# EAGLE board working (EAGLE 9.5.2), part 4 of 4
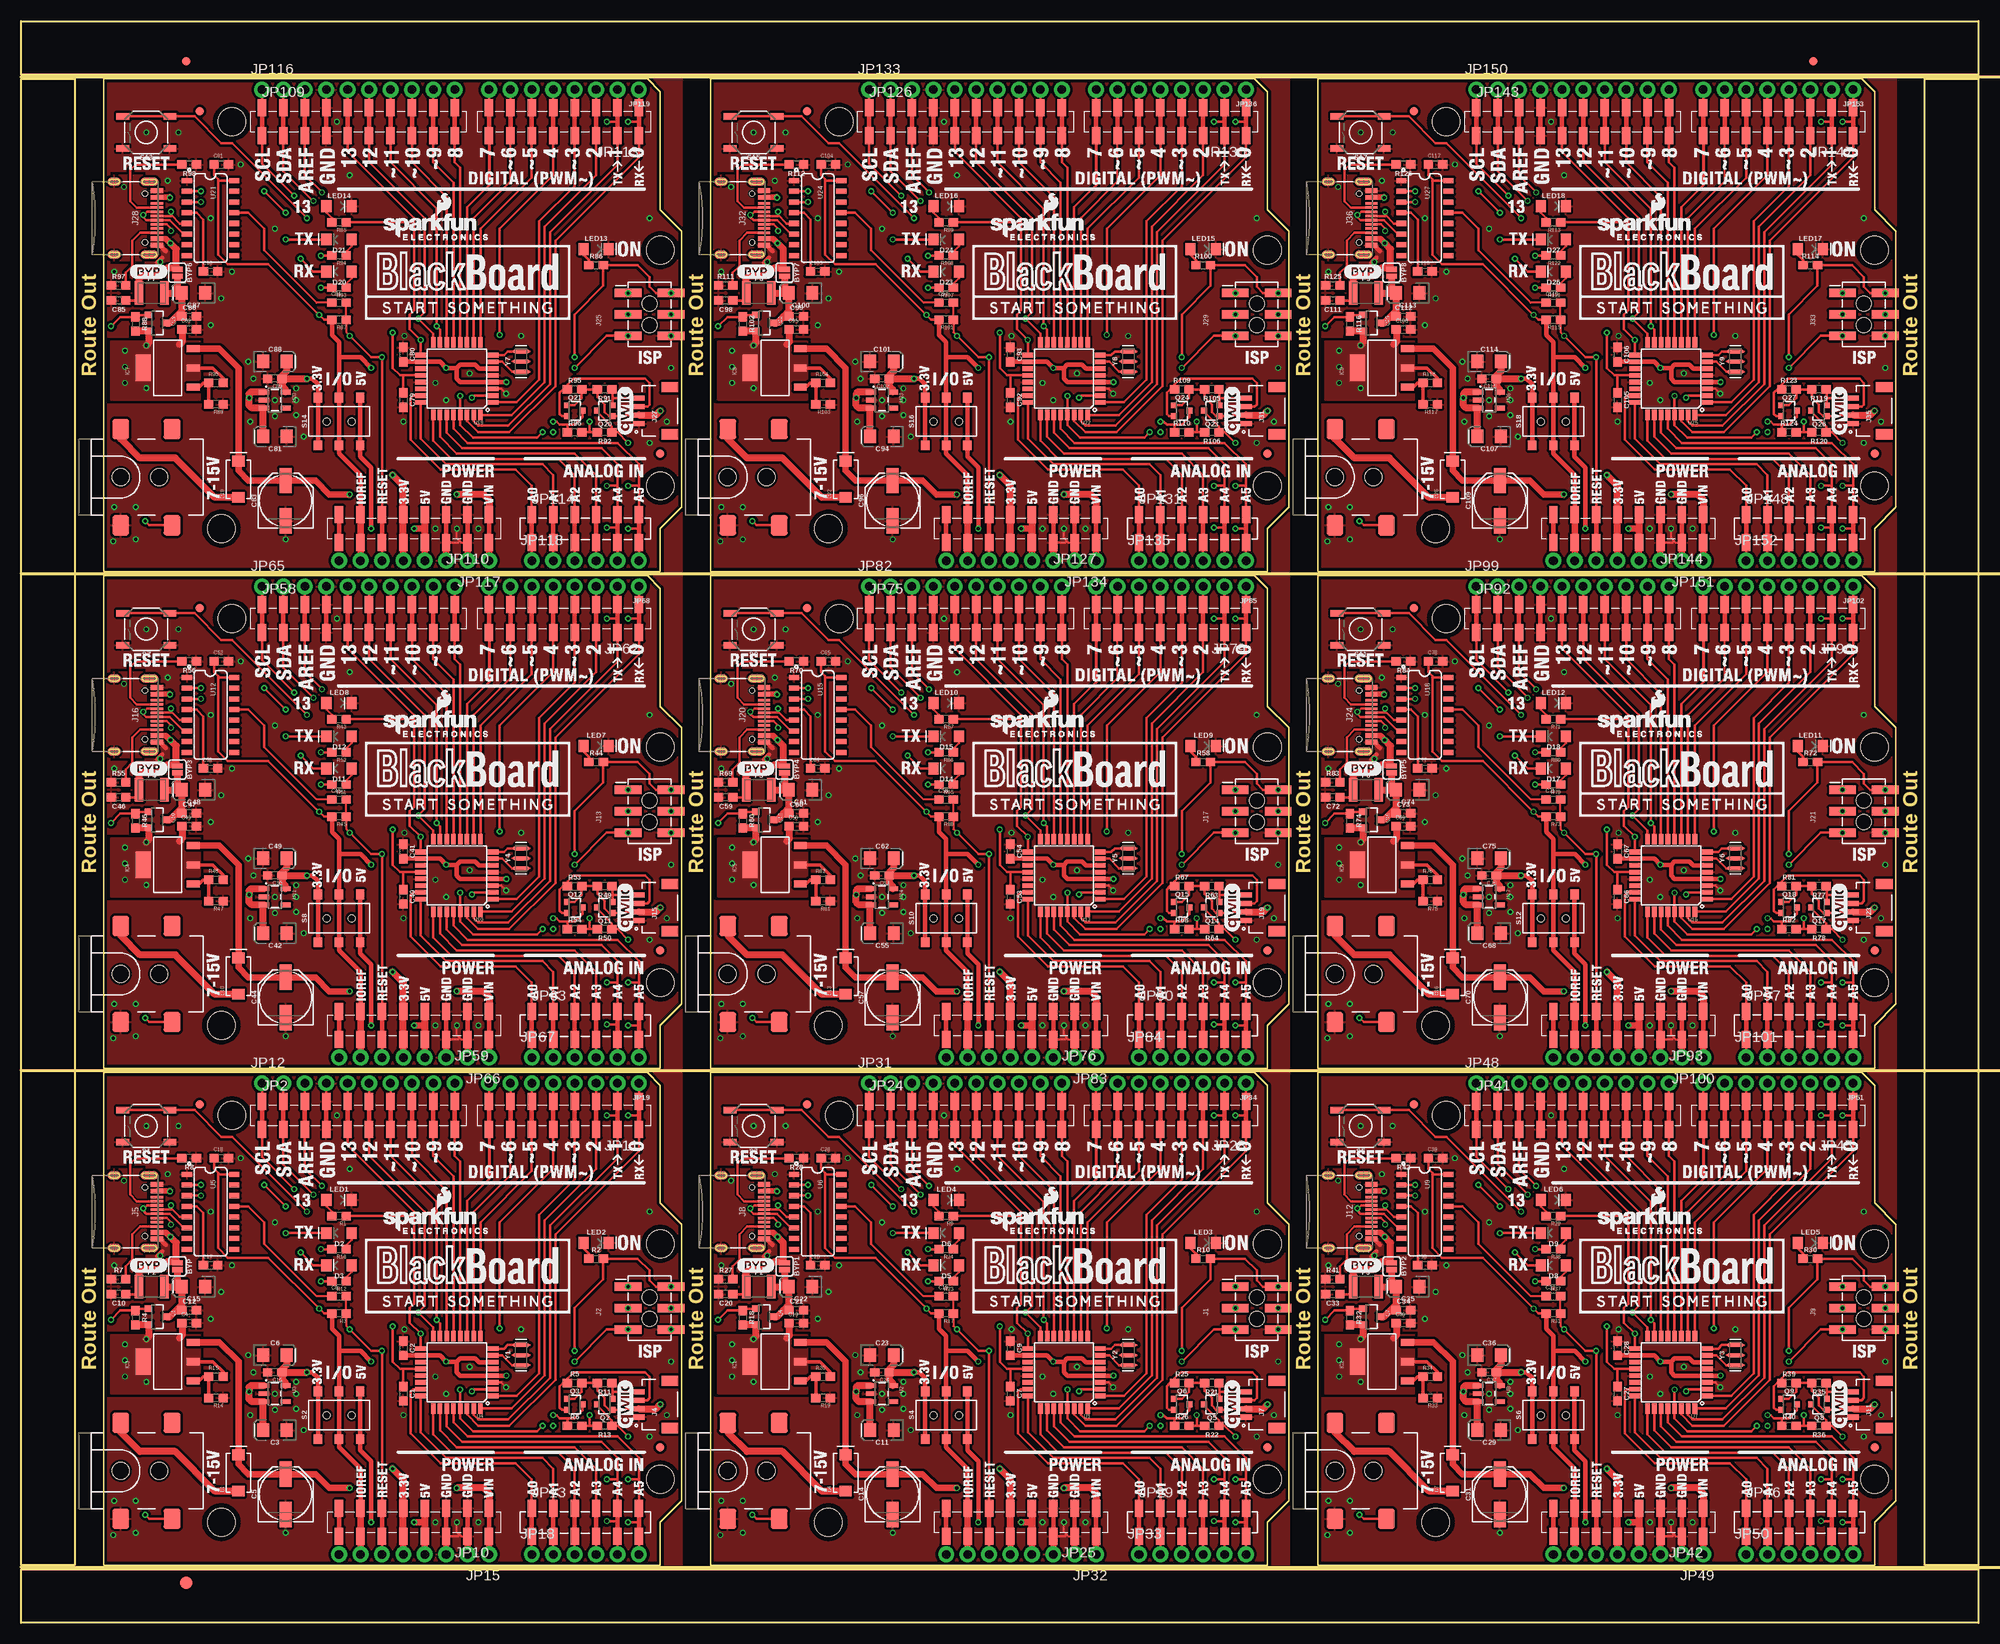
[diagram p0: board, top side]
## Tracks (layer width: path | path; a pad name or v marks a point on that pad's centre or on a via) (continued)
N$76
  Top 0.305: R108.1 110.58,162.65 111.23,163.3 D24.A
N$77
  Top 0.305: R107.1 110.58,158.84 111.23,159.49 D23.A
N$78
  Top 0.305: U24.4 92.84,167.26 93.64,166.46 C103.1
N$79  (via drill 0.38)
  Top 0.305: Q23.3 140.37,143.69 140.37,143.6 142.07,141.9 R106.1 142.75,141.22 v144.02,139.95
  Bottom 0.305: QW16.2 142.24,139.06 143.13,139.95 v144.02,139.95
N$80  (via drill 0.38)
  Top 0.254: 136.82,142.07 136.78,142.11
  Top 0.305: v135.13,142.49 135.51,142.49 135.89,142.11 136.78,142.11 137.67,142.11 138.59,143.04 Q24.3 | R110.1 136.82,142.07
  Bottom 0.305: QW15.2 138.43,141.73 137.67,142.49 v135.13,142.49
N$81
  Top 0.356: R114.1 211.37,161.63 210.72,162.28 LED17.A
N$82
  Top 0.305: R113.2 180.89,166.59 180.24,167.24 LED18.A
N$83
  Top 0.406: IC9.1 165.12,146.57 165.61,147.07 R118.1 R117.2
N$84
  Top 0.305: U25.7 201.07,149.57 202.24,148.41 Y9.1
N$85
  Top 0.305: U25.8 201.3,150.37 201.73,150.81 Y9.3
N$86
  Top 0.305: R122.1 182.59,162.65 183.24,163.3 D27.A
N$87
  Top 0.305: R121.1 182.59,158.84 183.24,159.49 D26.A
N$88
  Top 0.305: U27.4 164.85,167.26 165.65,166.46 C116.1
N$89  (via drill 0.38)
  Top 0.305: Q26.3 212.38,143.69 212.38,143.6 214.08,141.9 R120.1 214.76,141.22 v216.03,139.95
  Bottom 0.305: QW18.2 214.25,139.06 215.14,139.95 v216.03,139.95
N$90  (via drill 0.38)
  Top 0.254: 208.83,142.07 208.79,142.11
  Top 0.305: v207.14,142.49 207.52,142.49 207.9,142.11 208.79,142.11 209.68,142.11 210.6,143.04 Q27.3 | R124.1 208.83,142.07
  Bottom 0.305: QW17.2 210.44,141.73 209.68,142.49 v207.14,142.49
PWRIN
  Top 0.813: J3.VIN0 11.81,22.61 14.1,20.32 18.29,20.32 22.98,15.63 D1.A
PWRIN1
  Top 0.813: J6.VIN0 83.82,22.61 86.11,20.32 90.3,20.32 94.99,15.63 D4.A
PWRIN2
  Top 0.813: J10.VIN0 155.83,22.61 158.12,20.32 162.31,20.32 167,15.63 D7.A
PWRIN3
  Top 0.813: J14.VIN0 11.81,81.53 14.1,79.25 18.29,79.25 22.98,74.56 D10.A
PWRIN4
  Top 0.813: J18.VIN0 83.82,81.53 86.11,79.25 90.3,79.25 94.99,74.56 D13.A
PWRIN5
  Top 0.813: J22.VIN0 155.83,81.53 158.12,79.25 162.31,79.25 167,74.56 D16.A
PWRIN6
  Top 0.813: J26.VIN0 11.81,140.46 14.1,138.18 18.29,138.18 22.98,133.49 D19.A
PWRIN7
  Top 0.813: J30.VIN0 83.82,140.46 86.11,138.18 90.3,138.18 94.99,133.49 D22.A
PWRIN8
  Top 0.813: J34.VIN0 155.83,140.46 158.12,138.18 162.31,138.18 167,133.49 D25.A
RX-I  (via drill 0.38)
  Top 0.254: JP11.1B 73.28,58.93
  Top 0.305: U4.30 52.89,24.71 54.23,23.37 57.91,23.37 63.37,28.83 63.37,46.1 73.28,56.01 JP11.1A 73.28,58.93 73.28,60.2 v72.01,60.2 | v33.15,43.94 34.67,42.42 D3.C | U5.2 v21.34,51.94 | v28.83,51.94 v31.37,49.4 | JP11.1B JP19.1
  Bottom 0.305: v72.01,60.2 69.47,57.66 33.91,57.66 31.37,55.12 v31.37,49.4 33.15,47.62 v33.15,43.94 | v21.34,51.94 v28.83,51.94
RX-I1  (via drill 0.38)
  Top 0.254: JP28.1B 145.29,58.93
  Top 0.305: U1.30 124.9,24.71 126.24,23.37 129.92,23.37 135.38,28.83 135.38,46.1 145.29,56.01 JP28.1A 145.29,58.93 145.29,60.2 v144.02,60.2 | v105.16,43.94 106.68,42.42 D5.C | U6.2 v93.34,51.94 | v100.84,51.94 v103.38,49.4 | JP28.1B JP34.1
  Bottom 0.305: v144.02,60.2 141.48,57.66 105.92,57.66 103.38,55.12 v103.38,49.4 105.16,47.62 v105.16,43.94 | v93.34,51.94 v100.84,51.94
RX-I2  (via drill 0.38)
  Top 0.254: JP45.1B 217.3,58.93
  Top 0.305: U7.30 196.91,24.71 198.25,23.37 201.93,23.37 207.39,28.83 207.39,46.1 217.3,56.01 JP45.1A 217.3,58.93 217.3,60.2 v216.03,60.2 | v177.16,43.94 178.69,42.42 D8.C | U9.2 v165.35,51.94 | v172.85,51.94 v175.39,49.4 | JP45.1B JP51.1
  Bottom 0.305: v216.03,60.2 213.49,57.66 177.93,57.66 175.39,55.12 v175.39,49.4 177.16,47.62 v177.16,43.94 | v165.35,51.94 v172.85,51.94
RX-I3  (via drill 0.38)
  Top 0.254: JP62.1B 73.28,117.86
  Top 0.305: U10.30 52.89,83.64 54.23,82.3 57.91,82.3 63.37,87.76 63.37,105.03 73.28,114.94 JP62.1A 73.28,117.86 73.28,119.13 v72.01,119.13 | v33.15,102.87 34.67,101.35 D11.C | U12.2 v21.34,110.87 | v28.83,110.87 v31.37,108.33 | JP62.1B JP68.1
  Bottom 0.305: v72.01,119.13 69.47,116.59 33.91,116.59 31.37,114.05 v31.37,108.33 33.15,106.55 v33.15,102.87 | v21.34,110.87 v28.83,110.87
RX-I4  (via drill 0.38)
  Top 0.254: JP79.1B 145.29,117.86
  Top 0.305: U13.30 124.9,83.64 126.24,82.3 129.92,82.3 135.38,87.76 135.38,105.03 145.29,114.94 JP79.1A 145.29,117.86 145.29,119.13 v144.02,119.13 | v105.16,102.87 106.68,101.35 D14.C | U15.2 v93.34,110.87 | v100.84,110.87 v103.38,108.33 | JP79.1B JP85.1
  Bottom 0.305: v144.02,119.13 141.48,116.59 105.92,116.59 103.38,114.05 v103.38,108.33 105.16,106.55 v105.16,102.87 | v93.34,110.87 v100.84,110.87
RX-I5  (via drill 0.38)
  Top 0.254: JP96.1B 217.3,117.86
  Top 0.305: U16.30 196.91,83.64 198.25,82.3 201.93,82.3 207.39,87.76 207.39,105.03 217.3,114.94 JP96.1A 217.3,117.86 217.3,119.13 v216.03,119.13 | v177.16,102.87 178.69,101.35 D17.C | U18.2 v165.35,110.87 | v172.85,110.87 v175.39,108.33 | JP96.1B JP102.1
  Bottom 0.305: v216.03,119.13 213.49,116.59 177.93,116.59 175.39,114.05 v175.39,108.33 177.16,106.55 v177.16,102.87 | v165.35,110.87 v172.85,110.87
RX-I6  (via drill 0.38)
  Top 0.254: JP113.1B 73.28,176.78
  Top 0.305: U19.30 52.89,142.56 54.23,141.22 57.91,141.22 63.37,146.69 63.37,163.96 73.28,173.86 JP113.1A 73.28,176.78 73.28,178.05 v72.01,178.05 | v33.15,161.8 34.67,160.27 D20.C | U21.2 v21.34,169.8 | v28.83,169.8 v31.37,167.26 | JP113.1B JP119.1
  Bottom 0.305: v72.01,178.05 69.47,175.51 33.91,175.51 31.37,172.97 v31.37,167.26 33.15,165.48 v33.15,161.8 | v21.34,169.8 v28.83,169.8
RX-I7  (via drill 0.38)
  Top 0.254: JP130.1B 145.29,176.78
  Top 0.305: U22.30 124.9,142.56 126.24,141.22 129.92,141.22 135.38,146.69 135.38,163.96 145.29,173.86 JP130.1A 145.29,176.78 145.29,178.05 v144.02,178.05 | v105.16,161.8 106.68,160.27 D23.C | U24.2 v93.34,169.8 | v100.84,169.8 v103.38,167.26 | JP130.1B JP136.1
  Bottom 0.305: v144.02,178.05 141.48,175.51 105.92,175.51 103.38,172.97 v103.38,167.26 105.16,165.48 v105.16,161.8 | v93.34,169.8 v100.84,169.8
RX-I8  (via drill 0.38)
  Top 0.254: JP147.1B 217.3,176.78
  Top 0.305: U25.30 196.91,142.56 198.25,141.22 201.93,141.22 207.39,146.69 207.39,163.96 217.3,173.86 JP147.1A 217.3,176.78 217.3,178.05 v216.03,178.05 | v177.16,161.8 178.69,160.27 D26.C | U27.2 v165.35,169.8 | v172.85,169.8 v175.39,167.26 | JP147.1B JP153.1
  Bottom 0.305: v216.03,178.05 213.49,175.51 177.93,175.51 175.39,172.97 v175.39,167.26 177.16,165.48 v177.16,161.8 | v165.35,169.8 v172.85,169.8
SCK  (via drill 0.38, 0.38 pad 0.51)
  Top 0.254: JP2.5B JP2.5A
  Top 0.305: U4.17 v47.4,34.31 46.1,35.61 46.1,37.34 46.61,37.85 46.61,48.26 | JP2.5B 38.73,56.64 46.61,48.77 46.61,48.26 | R1.1 46.61,48.26 | JP2.5A JP12.5
  Bottom 0.305: v47.4,34.31 47.4,35.46 49.28,37.34 J2.3 TP5.P$1
  other vias: 72.01,37.34
SCK1  (via drill 0.38, 0.38 pad 0.51)
  Top 0.254: JP24.5B JP24.5A
  Top 0.305: U1.17 v119.41,34.31 118.11,35.61 118.11,37.34 118.62,37.85 118.62,48.26 | JP24.5B 110.74,56.64 118.62,48.77 118.62,48.26 | R9.1 118.62,48.26 | JP24.5A JP31.5
  Bottom 0.305: v119.41,34.31 119.41,35.46 121.28,37.34 J1.3 TP11.P$1
  other vias: 144.02,37.34
SCK2  (via drill 0.38, 0.38 pad 0.51)
  Top 0.254: JP41.5B JP41.5A
  Top 0.305: U7.17 v191.41,34.31 190.12,35.61 190.12,37.34 190.63,37.85 190.63,48.26 | JP41.5B 182.75,56.64 190.63,48.77 190.63,48.26 | R29.1 190.63,48.26 | JP41.5A JP48.5
  Bottom 0.305: v191.41,34.31 191.41,35.46 193.29,37.34 J9.3 TP17.P$1
  other vias: 216.03,37.34
SCK3  (via drill 0.38, 0.38 pad 0.51)
  Top 0.254: JP58.5B JP58.5A
  Top 0.305: U10.17 v47.4,93.24 46.1,94.54 46.1,96.27 46.61,96.77 46.61,107.19 | JP58.5B 38.73,115.57 46.61,107.7 46.61,107.19 | R43.1 46.61,107.19 | JP58.5A JP65.5
  Bottom 0.305: v47.4,93.24 47.4,94.39 49.28,96.27 J13.3 TP23.P$1
  other vias: 72.01,96.27
SCK4  (via drill 0.38, 0.38 pad 0.51)
  Top 0.254: JP75.5B JP75.5A
  Top 0.305: U13.17 v119.41,93.24 118.11,94.54 118.11,96.27 118.62,96.77 118.62,107.19 | JP75.5B 110.74,115.57 118.62,107.7 118.62,107.19 | R57.1 118.62,107.19 | JP75.5A JP82.5
  Bottom 0.305: v119.41,93.24 119.41,94.39 121.28,96.27 J17.3 TP29.P$1
  other vias: 144.02,96.27
SCK5  (via drill 0.38, 0.38 pad 0.51)
  Top 0.254: JP92.5B JP92.5A
  Top 0.305: U16.17 v191.41,93.24 190.12,94.54 190.12,96.27 190.63,96.77 190.63,107.19 | JP92.5B 182.75,115.57 190.63,107.7 190.63,107.19 | R71.1 190.63,107.19 | JP92.5A JP99.5
  Bottom 0.305: v191.41,93.24 191.41,94.39 193.29,96.27 J21.3 TP35.P$1
  other vias: 216.03,96.27
SCK6  (via drill 0.38, 0.38 pad 0.51)
  Top 0.254: JP109.5B JP109.5A
  Top 0.305: U19.17 v47.4,152.17 46.1,153.47 46.1,155.19 46.61,155.7 46.61,166.12 | JP109.5B 38.73,174.5 46.61,166.62 46.61,166.12 | R85.1 46.61,166.12 | JP109.5A JP116.5
  Bottom 0.305: v47.4,152.17 47.4,153.31 49.28,155.19 J25.3 TP41.P$1
  other vias: 72.01,155.19
SCK7  (via drill 0.38, 0.38 pad 0.51)
  Top 0.254: JP126.5B JP126.5A
  Top 0.305: U22.17 v119.41,152.17 118.11,153.47 118.11,155.19 118.62,155.7 118.62,166.12 | JP126.5B 110.74,174.5 118.62,166.62 118.62,166.12 | R99.1 118.62,166.12 | JP126.5A JP133.5
  Bottom 0.305: v119.41,152.17 119.41,153.31 121.28,155.19 J29.3 TP47.P$1
  other vias: 144.02,155.19
SCK8  (via drill 0.38, 0.38 pad 0.51)
  Top 0.254: JP143.5B JP143.5A
  Top 0.305: U25.17 v191.41,152.17 190.12,153.47 190.12,155.19 190.63,155.7 190.63,166.12 | JP143.5B 182.75,174.5 190.63,166.62 190.63,166.12 | R113.1 190.63,166.12 | JP143.5A JP150.5
  Bottom 0.305: v191.41,152.17 191.41,153.31 193.29,155.19 J33.3 TP53.P$1
  other vias: 216.03,155.19
SHLD  (via drill 0.38)
  Bottom 0.203: 13.92,46.28 13.91,46.28
  other vias: 12.19,52.45
  pour Bottom: 9.78,53.85 14.86,53.85 14.86,43.69 9.78,43.69
  pour Top: 9.78,53.85 14.86,53.85 14.86,43.69 9.78,43.69
SHLD1  (via drill 0.38)
  Bottom 0.203: 85.93,46.28 85.92,46.28
  other vias: 84.2,52.45
  pour Bottom: 81.79,53.85 86.87,53.85 86.87,43.69 81.79,43.69
  pour Top: 81.79,53.85 86.87,53.85 86.87,43.69 81.79,43.69
SHLD2  (via drill 0.38)
  Bottom 0.203: 157.94,46.28 157.93,46.28
  other vias: 156.21,52.45
  pour Bottom: 153.8,53.85 158.88,53.85 158.88,43.69 153.8,43.69
  pour Top: 153.8,53.85 158.88,53.85 158.88,43.69 153.8,43.69
SHLD3  (via drill 0.38)
  Bottom 0.203: 13.92,105.21 13.91,105.21
  other vias: 12.19,111.38
  pour Bottom: 9.78,112.78 14.86,112.78 14.86,102.62 9.78,102.62
  pour Top: 9.78,112.78 14.86,112.78 14.86,102.62 9.78,102.62
SHLD4  (via drill 0.38)
  Bottom 0.203: 85.93,105.21 85.92,105.21
  other vias: 84.2,111.38
  pour Bottom: 81.79,112.78 86.87,112.78 86.87,102.62 81.79,102.62
  pour Top: 81.79,112.78 86.87,112.78 86.87,102.62 81.79,102.62
SHLD5  (via drill 0.38)
  Bottom 0.203: 157.94,105.21 157.93,105.21
  other vias: 156.21,111.38
  pour Bottom: 153.8,112.78 158.88,112.78 158.88,102.62 153.8,102.62
  pour Top: 153.8,112.78 158.88,112.78 158.88,102.62 153.8,102.62
SHLD6  (via drill 0.38)
  Bottom 0.203: 13.92,164.14 13.91,164.14
  other vias: 12.19,170.31
  pour Bottom: 9.78,171.7 14.86,171.7 14.86,161.54 9.78,161.54
  pour Top: 9.78,171.7 14.86,171.7 14.86,161.54 9.78,161.54
SHLD7  (via drill 0.38)
  Bottom 0.203: 85.93,164.14 85.92,164.14
  other vias: 84.2,170.31
  pour Bottom: 81.79,171.7 86.87,171.7 86.87,161.54 81.79,161.54
  pour Top: 81.79,171.7 86.87,171.7 86.87,161.54 81.79,161.54
SHLD8  (via drill 0.38)
  Bottom 0.203: 157.94,164.14 157.93,164.14
  other vias: 156.21,170.31
  pour Bottom: 153.8,171.7 158.88,171.7 158.88,161.54 153.8,161.54
  pour Top: 153.8,171.7 158.88,171.7 158.88,161.54 153.8,161.54
TX-O  (via drill 0.38)
  Top 0.254: JP11.2A JP11.2B
  Top 0.305: U4.31 53.69,24.67 54.23,24.13 57.78,24.13 62.74,29.08 62.74,47.12 70.74,55.12 JP11.2B | v69.47,60.2 70.74,60.2 JP11.2A JP19.2 | v31.37,46.23 D2.C | U5.3 v21.34,50.67
  Bottom 0.305: 30.1,50.67 30.1,48.77 31.37,47.5 v31.37,46.23 | 30.1,50.67 30.1,55.12 33.91,58.93 68.2,58.93 v69.47,60.2 | v21.34,50.67 30.1,50.67
TX-O1  (via drill 0.38)
  Top 0.254: JP28.2A JP28.2B
  Top 0.305: U1.31 125.7,24.67 126.24,24.13 129.79,24.13 134.75,29.08 134.75,47.12 142.75,55.12 JP28.2B | v141.48,60.2 142.75,60.2 JP28.2A JP34.2 | v103.38,46.23 D6.C | U6.3 v93.34,50.67
  Bottom 0.305: 102.11,50.67 102.11,48.77 103.38,47.5 v103.38,46.23 | 102.11,50.67 102.11,55.12 105.92,58.93 140.21,58.93 v141.48,60.2 | v93.34,50.67 102.11,50.67
TX-O2  (via drill 0.38)
  Top 0.254: JP45.2A JP45.2B
  Top 0.305: U7.31 197.71,24.67 198.25,24.13 201.8,24.13 206.76,29.08 206.76,47.12 214.76,55.12 JP45.2B | v213.49,60.2 214.76,60.2 JP45.2A JP51.2 | v175.39,46.23 D9.C | U9.3 v165.35,50.67
  Bottom 0.305: 174.12,50.67 174.12,48.77 175.39,47.5 v175.39,46.23 | 174.12,50.67 174.12,55.12 177.93,58.93 212.22,58.93 v213.49,60.2 | v165.35,50.67 174.12,50.67
TX-O3  (via drill 0.38)
  Top 0.254: JP62.2A JP62.2B
  Top 0.305: U10.31 53.69,83.6 54.23,83.06 57.78,83.06 62.74,88.01 62.74,106.05 70.74,114.05 JP62.2B | v69.47,119.13 70.74,119.13 JP62.2A JP68.2 | v31.37,105.16 D12.C | U12.3 v21.34,109.6
  Bottom 0.305: 30.1,109.6 30.1,107.7 31.37,106.43 v31.37,105.16 | 30.1,109.6 30.1,114.05 33.91,117.86 68.2,117.86 v69.47,119.13 | v21.34,109.6 30.1,109.6
TX-O4  (via drill 0.38)
  Top 0.254: JP79.2A JP79.2B
  Top 0.305: U13.31 125.7,83.6 126.24,83.06 129.79,83.06 134.75,88.01 134.75,106.05 142.75,114.05 JP79.2B | v141.48,119.13 142.75,119.13 JP79.2A JP85.2 | v103.38,105.16 D15.C | U15.3 v93.34,109.6
  Bottom 0.305: 102.11,109.6 102.11,107.7 103.38,106.43 v103.38,105.16 | 102.11,109.6 102.11,114.05 105.92,117.86 140.21,117.86 v141.48,119.13 | v93.34,109.6 102.11,109.6
TX-O5  (via drill 0.38)
  Top 0.254: JP96.2A JP96.2B
  Top 0.305: U16.31 197.71,83.6 198.25,83.06 201.8,83.06 206.76,88.01 206.76,106.05 214.76,114.05 JP96.2B | v213.49,119.13 214.76,119.13 JP96.2A JP102.2 | v175.39,105.16 D18.C | U18.3 v165.35,109.6
  Bottom 0.305: 174.12,109.6 174.12,107.7 175.39,106.43 v175.39,105.16 | 174.12,109.6 174.12,114.05 177.93,117.86 212.22,117.86 v213.49,119.13 | v165.35,109.6 174.12,109.6
TX-O6  (via drill 0.38)
  Top 0.254: JP113.2A JP113.2B
  Top 0.305: U19.31 53.69,142.53 54.23,141.99 57.78,141.99 62.74,146.94 62.74,164.97 70.74,172.97 JP113.2B | v69.47,178.05 70.74,178.05 JP113.2A JP119.2 | v31.37,164.08 D21.C | U21.3 v21.34,168.53
  Bottom 0.305: 30.1,168.53 30.1,166.62 31.37,165.35 v31.37,164.08 | 30.1,168.53 30.1,172.97 33.91,176.78 68.2,176.78 v69.47,178.05 | v21.34,168.53 30.1,168.53
TX-O7  (via drill 0.38)
  Top 0.254: JP130.2A JP130.2B
  Top 0.305: U22.31 125.7,142.53 126.24,141.99 129.79,141.99 134.75,146.94 134.75,164.97 142.75,172.97 JP130.2B | v141.48,178.05 142.75,178.05 JP130.2A JP136.2 | v103.38,164.08 D24.C | U24.3 v93.34,168.53
  Bottom 0.305: 102.11,168.53 102.11,166.62 103.38,165.35 v103.38,164.08 | 102.11,168.53 102.11,172.97 105.92,176.78 140.21,176.78 v141.48,178.05 | v93.34,168.53 102.11,168.53
TX-O8  (via drill 0.38)
  Top 0.254: JP147.2A JP147.2B
  Top 0.305: U25.31 197.71,142.53 198.25,141.99 201.8,141.99 206.76,146.94 206.76,164.97 214.76,172.97 JP147.2B | v213.49,178.05 214.76,178.05 JP147.2A JP153.2 | v175.39,164.08 D27.C | U27.3 v165.35,168.53
  Bottom 0.305: 174.12,168.53 174.12,166.62 175.39,165.35 v175.39,164.08 | 174.12,168.53 174.12,172.97 177.93,176.78 212.22,176.78 v213.49,178.05 | v165.35,168.53 174.12,168.53
USBVCC
  Top 0.254: BYP.2 18.54,41.68
  Top 0.813: F2.2 C15.+ | C15.+ 18.54,40.38 18.54,41.68 | Q1.3 17.65,36.32 18.41,37.08 | 18.41,37.08 C12.1 | C15.+ 19.05,37.72 18.41,37.08
USBVCC1
  Top 0.254: BYP1.2 90.55,41.68
  Top 0.813: F1.2 C22.+ | C22.+ 90.55,40.38 90.55,41.68 | Q4.3 89.66,36.32 90.42,37.08 | 90.42,37.08 C21.1 | C22.+ 91.06,37.72 90.42,37.08
USBVCC2
  Top 0.254: BYP2.2 162.56,41.68
  Top 0.813: F3.2 C35.+ | C35.+ 162.56,40.38 162.56,41.68 | Q7.3 161.67,36.32 162.43,37.08 | 162.43,37.08 C34.1 | C35.+ 163.06,37.72 162.43,37.08
USBVCC3
  Top 0.254: BYP3.2 18.54,100.61
  Top 0.813: F4.2 C48.+ | C48.+ 18.54,99.31 18.54,100.61 | Q10.3 17.65,95.25 18.41,96.01 | 18.41,96.01 C47.1 | C48.+ 19.05,96.64 18.41,96.01
USBVCC4
  Top 0.254: BYP4.2 90.55,100.61
  Top 0.813: F5.2 C61.+ | C61.+ 90.55,99.31 90.55,100.61 | Q13.3 89.66,95.25 90.42,96.01 | 90.42,96.01 C60.1 | C61.+ 91.06,96.64 90.42,96.01
USBVCC5
  Top 0.254: BYP5.2 162.56,100.61
  Top 0.813: F6.2 C74.+ | C74.+ 162.56,99.31 162.56,100.61 | Q16.3 161.67,95.25 162.43,96.01 | 162.43,96.01 C73.1 | C74.+ 163.06,96.64 162.43,96.01
USBVCC6
  Top 0.254: BYP6.2 18.54,159.54
  Top 0.813: F7.2 C87.+ | C87.+ 18.54,158.24 18.54,159.54 | Q19.3 17.65,154.18 18.41,154.94 | 18.41,154.94 C86.1 | C87.+ 19.05,155.57 18.41,154.94
USBVCC7
  Top 0.254: BYP7.2 90.55,159.54
  Top 0.813: F8.2 C100.+ | C100.+ 90.55,158.24 90.55,159.54 | Q22.3 89.66,154.18 90.42,154.94 | 90.42,154.94 C99.1 | C100.+ 91.06,155.57 90.42,154.94
USBVCC8
  Top 0.254: BYP8.2 162.56,159.54
  Top 0.813: F9.2 C113.+ | C113.+ 162.56,158.24 162.56,159.54 | Q25.3 161.67,154.18 162.43,154.94 | 162.43,154.94 C112.1 | C113.+ 163.06,155.57 162.43,154.94
VCC  (via drill 0.38)
  Top 0.305: v65.66,32.26 65.66,37.34 69.05,40.73 R2.2 73.15,43.18 74.55,41.78 74.55,40.64 75.31,39.88 J2.2 | R3.2 35.94,36.7 v35.37,37.27 29.34,43.31 24.51,43.31 23.37,44.45 23.37,53.21 | R6.2 67.44,23.37 | 67.44,23.37 R13.2 | v67.44,24.64 67.44,23.37 | C18.1 22.9,53.85 23.37,53.38 23.37,53.21 | R16.2 v35.56,44.32 | R12.2 v35.56,40.51 | U5.16 23.37,53.21
  Top 0.508: U4.6 54.3,30.92 53.85,31.37 52.07,31.37 51.69,30.99 | C2.2 U4.18 49.69,31.72 v50.42,30.99 51.69,30.99 | v57.55,29.32 U4.4 52.09,29.32 51.69,29.72 51.69,30.99 | v41.53,30.99 40.26,32.26 37.72,32.26 | R3.2 36.87,34.89 37.72,34.04 37.72,32.26 | JP10.7B 40.26,18.29 37.72,20.83 S2.5 S2.2 37.72,32.26
  Top 0.762: JP10.7B JP10.7A JP15.7
  Bottom 0.305: v57.55,29.32 62.72,29.32 v65.66,32.26 66.93,32.26 67.44,31.75 v67.44,24.64 | v35.56,44.32 v35.56,40.51 35.56,37.46 v35.37,37.27 | TP1.P$1 J2.2
  Bottom 0.508: v50.42,30.99 v41.53,30.99
  other vias: 77.09,39.88
VCC1  (via drill 0.38)
  Top 0.305: v137.67,32.26 137.67,37.34 141.06,40.73 R10.2 145.16,43.18 146.56,41.78 146.56,40.64 147.32,39.88 J1.2 | R17.2 107.95,36.7 v107.38,37.27 101.35,43.31 96.52,43.31 95.38,44.45 95.38,53.21 | R26.2 139.45,23.37 | 139.45,23.37 R22.2 | v139.45,24.64 139.45,23.37 | C26.1 94.91,53.85 95.38,53.38 95.38,53.21 | R24.2 v107.57,44.32 | R23.2 v107.57,40.51 | U6.16 95.38,53.21
  Top 0.508: U1.6 126.31,30.92 125.86,31.37 124.08,31.37 123.7,30.99 | C9.2 U1.18 121.7,31.72 v122.43,30.99 123.7,30.99 | v129.56,29.32 U1.4 124.1,29.32 123.7,29.72 123.7,30.99 | v113.54,30.99 112.27,32.26 109.73,32.26 | R17.2 108.88,34.89 109.73,34.04 109.73,32.26 | JP25.7B 112.27,18.29 109.73,20.83 S4.5 S4.2 109.73,32.26
  Top 0.762: JP25.7B JP25.7A JP32.7
  Bottom 0.305: v129.56,29.32 134.73,29.32 v137.67,32.26 138.94,32.26 139.45,31.75 v139.45,24.64 | v107.57,44.32 v107.57,40.51 107.57,37.46 v107.38,37.27 | TP7.P$1 J1.2
  Bottom 0.508: v122.43,30.99 v113.54,30.99
  other vias: 149.1,39.88
VCC2  (via drill 0.38)
  Top 0.305: v209.68,32.26 209.68,37.34 213.07,40.73 R30.2 217.17,43.18 218.57,41.78 218.57,40.64 219.33,39.88 J9.2 | R31.2 179.96,36.7 v179.39,37.27 173.35,43.31 168.53,43.31 167.39,44.45 167.39,53.21 | R40.2 211.45,23.37 | 211.45,23.37 R36.2 | v211.45,24.64 211.45,23.37 | C39.1 166.92,53.85 167.39,53.38 167.39,53.21 | R38.2 v179.58,44.32 | R37.2 v179.58,40.51 | U9.16 167.39,53.21
  Top 0.508: U7.6 198.32,30.92 197.87,31.37 196.09,31.37 195.71,30.99 | C28.2 U7.18 193.71,31.72 v194.44,30.99 195.71,30.99 | v201.57,29.32 U7.4 196.11,29.32 195.71,29.72 195.71,30.99 | v185.55,30.99 184.28,32.26 181.74,32.26 | R31.2 180.89,34.89 181.74,34.04 181.74,32.26 | JP42.7B 184.28,18.29 181.74,20.83 S6.5 S6.2 181.74,32.26
  Top 0.762: JP42.7B JP42.7A JP49.7
  Bottom 0.305: v201.57,29.32 206.74,29.32 v209.68,32.26 210.95,32.26 211.45,31.75 v211.45,24.64 | v179.58,44.32 v179.58,40.51 179.58,37.46 v179.39,37.27 | TP13.P$1 J9.2
  Bottom 0.508: v194.44,30.99 v185.55,30.99
  other vias: 221.11,39.88
VCC3  (via drill 0.38)
  Top 0.305: v65.66,91.19 65.66,96.27 69.05,99.66 R44.2 73.15,102.11 74.55,100.71 74.55,99.57 75.31,98.81 J13.2 | R45.2 35.94,95.63 v35.37,96.2 29.34,102.23 24.51,102.23 23.37,103.38 23.37,112.14 | R54.2 67.44,82.3 | 67.44,82.3 R50.2 | v67.44,83.57 67.44,82.3 | C52.1 22.9,112.78 23.37,112.31 23.37,112.14 | R52.2 v35.56,103.25 | R51.2 v35.56,99.44 | U12.16 23.37,112.14
  Top 0.508: U10.6 54.3,89.85 53.85,90.3 52.07,90.3 51.69,89.92 | C41.2 U10.18 49.69,90.65 v50.42,89.92 51.69,89.92 | v57.55,88.25 U10.4 52.09,88.25 51.69,88.65 51.69,89.92 | v41.53,89.92 40.26,91.19 37.72,91.19 | R45.2 36.87,93.81 37.72,92.96 37.72,91.19 | JP59.7B 40.26,77.22 37.72,79.76 S8.5 S8.2 37.72,91.19
  Top 0.762: JP59.7B JP59.7A JP66.7
  Bottom 0.305: v57.55,88.25 62.72,88.25 v65.66,91.19 66.93,91.19 67.44,90.68 v67.44,83.57 | v35.56,103.25 v35.56,99.44 35.56,96.39 v35.37,96.2 | TP19.P$1 J13.2
  Bottom 0.508: v50.42,89.92 v41.53,89.92
  other vias: 77.09,98.81
VCC4  (via drill 0.38)
  Top 0.305: v137.67,91.19 137.67,96.27 141.06,99.66 R58.2 145.16,102.11 146.56,100.71 146.56,99.57 147.32,98.81 J17.2 | R59.2 107.95,95.63 v107.38,96.2 101.35,102.23 96.52,102.23 95.38,103.38 95.38,112.14 | R68.2 139.45,82.3 | 139.45,82.3 R64.2 | v139.45,83.57 139.45,82.3 | C65.1 94.91,112.78 95.38,112.31 95.38,112.14 | R66.2 v107.57,103.25 | R65.2 v107.57,99.44 | U15.16 95.38,112.14
  Top 0.508: U13.6 126.31,89.85 125.86,90.3 124.08,90.3 123.7,89.92 | C54.2 U13.18 121.7,90.65 v122.43,89.92 123.7,89.92 | v129.56,88.25 U13.4 124.1,88.25 123.7,88.65 123.7,89.92 | v113.54,89.92 112.27,91.19 109.73,91.19 | R59.2 108.88,93.81 109.73,92.96 109.73,91.19 | JP76.7B 112.27,77.22 109.73,79.76 S10.5 S10.2 109.73,91.19
  Top 0.762: JP76.7B JP76.7A JP83.7
  Bottom 0.305: v129.56,88.25 134.73,88.25 v137.67,91.19 138.94,91.19 139.45,90.68 v139.45,83.57 | v107.57,103.25 v107.57,99.44 107.57,96.39 v107.38,96.2 | TP25.P$1 J17.2
  Bottom 0.508: v122.43,89.92 v113.54,89.92
  other vias: 149.1,98.81
VCC5  (via drill 0.38)
  Top 0.305: v209.68,91.19 209.68,96.27 213.07,99.66 R72.2 217.17,102.11 218.57,100.71 218.57,99.57 219.33,98.81 J21.2 | R73.2 179.96,95.63 v179.39,96.2 173.35,102.23 168.53,102.23 167.39,103.38 167.39,112.14 | R82.2 211.45,82.3 | 211.45,82.3 R78.2 | v211.45,83.57 211.45,82.3 | C78.1 166.92,112.78 167.39,112.31 167.39,112.14 | R80.2 v179.58,103.25 | R79.2 v179.58,99.44 | U18.16 167.39,112.14
  Top 0.508: U16.6 198.32,89.85 197.87,90.3 196.09,90.3 195.71,89.92 | C67.2 U16.18 193.71,90.65 v194.44,89.92 195.71,89.92 | v201.57,88.25 U16.4 196.11,88.25 195.71,88.65 195.71,89.92 | v185.55,89.92 184.28,91.19 181.74,91.19 | R73.2 180.89,93.81 181.74,92.96 181.74,91.19 | JP93.7B 184.28,77.22 181.74,79.76 S12.5 S12.2 181.74,91.19
  Top 0.762: JP93.7B JP93.7A JP100.7
  Bottom 0.305: v201.57,88.25 206.74,88.25 v209.68,91.19 210.95,91.19 211.45,90.68 v211.45,83.57 | v179.58,103.25 v179.58,99.44 179.58,96.39 v179.39,96.2 | TP31.P$1 J21.2
  Bottom 0.508: v194.44,89.92 v185.55,89.92
  other vias: 221.11,98.81
VCC6  (via drill 0.38)
  Top 0.305: v65.66,150.11 65.66,155.19 69.05,158.58 R86.2 73.15,161.04 74.55,159.64 74.55,158.5 75.31,157.73 J25.2 | R87.2 35.94,154.56 v35.37,155.13 29.34,161.16 24.51,161.16 23.37,162.31 23.37,171.07 | R96.2 67.44,141.22 | 67.44,141.22 R92.2 | v67.44,142.49 67.44,141.22 | C91.1 22.9,171.7 23.37,171.24 23.37,171.07 | R94.2 v35.56,162.18 | R93.2 v35.56,158.37 | U21.16 23.37,171.07
  Top 0.508: U19.6 54.3,148.77 53.85,149.22 52.07,149.22 51.69,148.84 | C80.2 U19.18 49.69,149.57 v50.42,148.84 51.69,148.84 | v57.55,147.17 U19.4 52.09,147.17 51.69,147.57 51.69,148.84 | v41.53,148.84 40.26,150.11 37.72,150.11 | R87.2 36.87,152.74 37.72,151.89 37.72,150.11 | JP110.7B 40.26,136.14 37.72,138.68 S14.5 S14.2 37.72,150.11
  Top 0.762: JP110.7B JP110.7A JP117.7
  Bottom 0.305: v57.55,147.17 62.72,147.17 v65.66,150.11 66.93,150.11 67.44,149.61 v67.44,142.49 | v35.56,162.18 v35.56,158.37 35.56,155.32 v35.37,155.13 | TP37.P$1 J25.2
  Bottom 0.508: v50.42,148.84 v41.53,148.84
  other vias: 77.09,157.73
VCC7  (via drill 0.38)
  Top 0.305: v137.67,150.11 137.67,155.19 141.06,158.58 R100.2 145.16,161.04 146.56,159.64 146.56,158.5 147.32,157.73 J29.2 | R101.2 107.95,154.56 v107.38,155.13 101.35,161.16 96.52,161.16 95.38,162.31 95.38,171.07 | R110.2 139.45,141.22 | 139.45,141.22 R106.2 | v139.45,142.49 139.45,141.22 | C104.1 94.91,171.7 95.38,171.24 95.38,171.07 | R108.2 v107.57,162.18 | R107.2 v107.57,158.37 | U24.16 95.38,171.07
  Top 0.508: U22.6 126.31,148.77 125.86,149.22 124.08,149.22 123.7,148.84 | C93.2 U22.18 121.7,149.57 v122.43,148.84 123.7,148.84 | v129.56,147.17 U22.4 124.1,147.17 123.7,147.57 123.7,148.84 | v113.54,148.84 112.27,150.11 109.73,150.11 | R101.2 108.88,152.74 109.73,151.89 109.73,150.11 | JP127.7B 112.27,136.14 109.73,138.68 S16.5 S16.2 109.73,150.11
  Top 0.762: JP127.7B JP127.7A JP134.7
  Bottom 0.305: v129.56,147.17 134.73,147.17 v137.67,150.11 138.94,150.11 139.45,149.61 v139.45,142.49 | v107.57,162.18 v107.57,158.37 107.57,155.32 v107.38,155.13 | TP43.P$1 J29.2
  Bottom 0.508: v122.43,148.84 v113.54,148.84
  other vias: 149.1,157.73
VCC8  (via drill 0.38)
  Top 0.305: v209.68,150.11 209.68,155.19 213.07,158.58 R114.2 217.17,161.04 218.57,159.64 218.57,158.5 219.33,157.73 J33.2 | R115.2 179.96,154.56 v179.39,155.13 173.35,161.16 168.53,161.16 167.39,162.31 167.39,171.07 | R124.2 211.45,141.22 | 211.45,141.22 R120.2 | v211.45,142.49 211.45,141.22 | C117.1 166.92,171.7 167.39,171.24 167.39,171.07 | R122.2 v179.58,162.18 | R121.2 v179.58,158.37 | U27.16 167.39,171.07
  Top 0.508: U25.6 198.32,148.77 197.87,149.22 196.09,149.22 195.71,148.84 | C106.2 U25.18 193.71,149.57 v194.44,148.84 195.71,148.84 | v201.57,147.17 U25.4 196.11,147.17 195.71,147.57 195.71,148.84 | v185.55,148.84 184.28,150.11 181.74,150.11 | R115.2 180.89,152.74 181.74,151.89 181.74,150.11 | JP144.7B 184.28,136.14 181.74,138.68 S18.5 S18.2 181.74,150.11
  Top 0.762: JP144.7B JP144.7A JP151.7
  Bottom 0.305: v201.57,147.17 206.74,147.17 v209.68,150.11 210.95,150.11 211.45,149.61 v211.45,142.49 | v179.58,162.18 v179.58,158.37 179.58,155.32 v179.39,155.13 | TP49.P$1 J33.2
  Bottom 0.508: v194.44,148.84 v185.55,148.84
  other vias: 221.11,157.73
VIN  (via drill 0.38)
  Top 0.305: JP10.1A JP10.1B
  Top 0.762: v38.98,15.99 36.57,15.99 34.92,17.64 C5.+ 26.94,17.64 25.78,18.8 D1.C 25.78,30.99 23.5,33.28 IC3.3 | JP10.1A JP15.1
  Top 0.813: v51.68,15.99 54.88,15.99 55.5,15.37 JP10.1B
  Bottom 0.813: v51.68,15.99 v38.98,15.99
VIN1  (via drill 0.38)
  Top 0.305: JP25.1A JP25.1B
  Top 0.762: v110.98,15.99 108.58,15.99 106.93,17.64 C14.+ 98.95,17.64 97.79,18.8 D4.C 97.79,30.99 95.51,33.28 IC1.3 | JP25.1A JP32.1
  Top 0.813: v123.69,15.99 126.89,15.99 127.51,15.37 JP25.1B
  Bottom 0.813: v123.69,15.99 v110.98,15.99
VIN2  (via drill 0.38)
  Top 0.305: JP42.1A JP42.1B
  Top 0.762: v182.99,15.99 180.59,15.99 178.94,17.64 C31.+ 170.95,17.64 169.8,18.8 D7.C 169.8,30.99 167.52,33.28 IC2.3 | JP42.1A JP49.1
  Top 0.813: v195.69,15.99 198.9,15.99 199.52,15.37 JP42.1B
  Bottom 0.813: v195.69,15.99 v182.99,15.99
VIN3  (via drill 0.38)
  Top 0.305: JP59.1A JP59.1B
  Top 0.762: v38.98,74.92 36.57,74.92 34.92,76.57 C44.+ 26.94,76.57 25.78,77.72 D10.C 25.78,89.92 23.5,92.2 IC4.3 | JP59.1A JP66.1
  Top 0.813: v51.68,74.92 54.88,74.92 55.5,74.3 JP59.1B
  Bottom 0.813: v51.68,74.92 v38.98,74.92
VIN4  (via drill 0.38)
  Top 0.305: JP76.1A JP76.1B
  Top 0.762: v110.98,74.92 108.58,74.92 106.93,76.57 C57.+ 98.95,76.57 97.79,77.72 D13.C 97.79,89.92 95.51,92.2 IC5.3 | JP76.1A JP83.1
  Top 0.813: v123.69,74.92 126.89,74.92 127.51,74.3 JP76.1B
  Bottom 0.813: v123.69,74.92 v110.98,74.92
VIN5  (via drill 0.38)
  Top 0.305: JP93.1A JP93.1B
  Top 0.762: v182.99,74.92 180.59,74.92 178.94,76.57 C70.+ 170.95,76.57 169.8,77.72 D16.C 169.8,89.92 167.52,92.2 IC6.3 | JP93.1A JP100.1
  Top 0.813: v195.69,74.92 198.9,74.92 199.52,74.3 JP93.1B
  Bottom 0.813: v195.69,74.92 v182.99,74.92
VIN6  (via drill 0.38)
  Top 0.305: JP110.1A JP110.1B
  Top 0.762: v38.98,133.84 36.57,133.84 34.92,135.5 C83.+ 26.94,135.5 25.78,136.65 D19.C 25.78,148.85 23.5,151.13 IC7.3 | JP110.1A JP117.1
  Top 0.813: v51.68,133.84 54.88,133.84 55.5,133.22 JP110.1B
  Bottom 0.813: v51.68,133.84 v38.98,133.84
VIN7  (via drill 0.38)
  Top 0.305: JP127.1A JP127.1B
  Top 0.762: v110.98,133.84 108.58,133.84 106.93,135.5 C96.+ 98.95,135.5 97.79,136.65 D22.C 97.79,148.85 95.51,151.13 IC8.3 | JP127.1A JP134.1
  Top 0.813: v123.69,133.84 126.89,133.84 127.51,133.22 JP127.1B
  Bottom 0.813: v123.69,133.84 v110.98,133.84
VIN8  (via drill 0.38)
  Top 0.305: JP144.1A JP144.1B
  Top 0.762: v182.99,133.84 180.59,133.84 178.94,135.5 C109.+ 170.95,135.5 169.8,136.65 D25.C 169.8,148.85 167.52,151.13 IC9.3 | JP144.1A JP151.1
  Top 0.813: v195.69,133.84 198.9,133.84 199.52,133.22 JP144.1B
  Bottom 0.813: v195.69,133.84 v182.99,133.84
VUSB  (via drill 0.38)
  Top 0.254: 18.54,42.8 BYP.1 18.41,42.82
  Top 0.305: C10.1 13.72,38.99 13.72,39.6 F2.1
  Top 0.635: J5.VBUS2 17.18,46.32 v17.72,45.78 | J5.VBUS1 17.62,51.22
  Top 0.762: 17.62,51.22 v17.65,51.18
  Top 0.813: F2.1 13.99,41.55 14.38,41.94 16.38,41.94 17.24,42.8 18.54,42.8 | v17.72,45.78 18.41,45.08 18.41,42.82
  Bottom 0.762: JP14.VBUS 13.34,51.43 13.97,50.8 17.65,50.8 | 18.92,50.04 18.16,50.8 17.65,50.8 | v17.65,51.18 17.65,50.8
  Bottom 0.813: 18.92,50.04 18.92,46.35 18.35,45.78 v17.72,45.78
VUSB1  (via drill 0.38)
  Top 0.254: 90.55,42.8 BYP1.1 90.42,42.82
  Top 0.305: C20.1 85.72,38.99 85.72,39.6 F1.1
  Top 0.635: J8.VBUS2 89.19,46.32 v89.73,45.78 | J8.VBUS1 89.62,51.22
  Top 0.762: 89.62,51.22 v89.66,51.18
  Top 0.813: F1.1 86,41.55 86.39,41.94 88.39,41.94 89.25,42.8 90.55,42.8 | v89.73,45.78 90.42,45.08 90.42,42.82
  Bottom 0.762: JP30.VBUS 85.34,51.43 85.98,50.8 89.66,50.8 | 90.93,50.04 90.17,50.8 89.66,50.8 | v89.66,51.18 89.66,50.8
  Bottom 0.813: 90.93,50.04 90.93,46.35 90.36,45.78 v89.73,45.78
VUSB2  (via drill 0.38)
  Top 0.254: 162.56,42.8 BYP2.1 162.43,42.82
  Top 0.305: C33.1 157.73,38.99 157.73,39.6 F3.1
  Top 0.635: J12.VBUS2 161.2,46.32 v161.73,45.78 | J12.VBUS1 161.63,51.22
  Top 0.762: 161.63,51.22 v161.67,51.18
  Top 0.813: F3.1 158.01,41.55 158.4,41.94 160.4,41.94 161.26,42.8 162.56,42.8 | v161.73,45.78 162.43,45.08 162.43,42.82
  Bottom 0.762: JP47.VBUS 157.35,51.43 157.99,50.8 161.67,50.8 | 162.94,50.04 162.18,50.8 161.67,50.8 | v161.67,51.18 161.67,50.8
  Bottom 0.813: 162.94,50.04 162.94,46.35 162.37,45.78 v161.73,45.78
VUSB3  (via drill 0.38)
  Top 0.254: 18.54,101.73 BYP3.1 18.41,101.75
  Top 0.305: C46.1 13.72,97.92 13.72,98.53 F4.1
  Top 0.635: J16.VBUS2 17.18,105.25 v17.72,104.71 | J16.VBUS1 17.62,110.15
  Top 0.762: 17.62,110.15 v17.65,110.11
  Top 0.813: F4.1 13.99,100.48 14.38,100.87 16.38,100.87 17.24,101.73 18.54,101.73 | v17.72,104.71 18.41,104.01 18.41,101.75
  Bottom 0.762: JP64.VBUS 13.34,110.36 13.97,109.73 17.65,109.73 | 18.92,108.97 18.16,109.73 17.65,109.73 | v17.65,110.11 17.65,109.73
  Bottom 0.813: 18.92,108.97 18.92,105.28 18.35,104.71 v17.72,104.71
VUSB4  (via drill 0.38)
  Top 0.254: 90.55,101.73 BYP4.1 90.42,101.75
  Top 0.305: C59.1 85.72,97.92 85.72,98.53 F5.1
  Top 0.635: J20.VBUS2 89.19,105.25 v89.73,104.71 | J20.VBUS1 89.62,110.15
  Top 0.762: 89.62,110.15 v89.66,110.11
  Top 0.813: F5.1 86,100.48 86.39,100.87 88.39,100.87 89.25,101.73 90.55,101.73 | v89.73,104.71 90.42,104.01 90.42,101.75
  Bottom 0.762: JP81.VBUS 85.34,110.36 85.98,109.73 89.66,109.73 | 90.93,108.97 90.17,109.73 89.66,109.73 | v89.66,110.11 89.66,109.73
  Bottom 0.813: 90.93,108.97 90.93,105.28 90.36,104.71 v89.73,104.71
VUSB5  (via drill 0.38)
  Top 0.254: 162.56,101.73 BYP5.1 162.43,101.75
  Top 0.305: C72.1 157.73,97.92 157.73,98.53 F6.1
  Top 0.635: J24.VBUS2 161.2,105.25 v161.73,104.71 | J24.VBUS1 161.63,110.15
  Top 0.762: 161.63,110.15 v161.67,110.11
  Top 0.813: F6.1 158.01,100.48 158.4,100.87 160.4,100.87 161.26,101.73 162.56,101.73 | v161.73,104.71 162.43,104.01 162.43,101.75
  Bottom 0.762: JP98.VBUS 157.35,110.36 157.99,109.73 161.67,109.73 | 162.94,108.97 162.18,109.73 161.67,109.73 | v161.67,110.11 161.67,109.73
  Bottom 0.813: 162.94,108.97 162.94,105.28 162.37,104.71 v161.73,104.71
VUSB6  (via drill 0.38)
  Top 0.254: 18.54,160.66 BYP6.1 18.41,160.68
  Top 0.305: C85.1 13.72,156.84 13.72,157.46 F7.1
  Top 0.635: J28.VBUS2 17.18,164.17 v17.72,163.64 | J28.VBUS1 17.62,169.07
  Top 0.762: 17.62,169.07 v17.65,169.04
  Top 0.813: F7.1 13.99,159.41 14.38,159.8 16.38,159.8 17.24,160.66 18.54,160.66 | v17.72,163.64 18.41,162.94 18.41,160.68
  Bottom 0.762: JP115.VBUS 13.34,169.29 13.97,168.66 17.65,168.66 | 18.92,167.89 18.16,168.66 17.65,168.66 | v17.65,169.04 17.65,168.66
  Bottom 0.813: 18.92,167.89 18.92,164.21 18.35,163.64 v17.72,163.64
VUSB7  (via drill 0.38)
  Top 0.254: 90.55,160.66 BYP7.1 90.42,160.68
  Top 0.305: C98.1 85.72,156.84 85.72,157.46 F8.1
  Top 0.635: J32.VBUS2 89.19,164.17 v89.73,163.64 | J32.VBUS1 89.62,169.07
  Top 0.762: 89.62,169.07 v89.66,169.04
  Top 0.813: F8.1 86,159.41 86.39,159.8 88.39,159.8 89.25,160.66 90.55,160.66 | v89.73,163.64 90.42,162.94 90.42,160.68
  Bottom 0.762: JP132.VBUS 85.34,169.29 85.98,168.66 89.66,168.66 | 90.93,167.89 90.17,168.66 89.66,168.66 | v89.66,169.04 89.66,168.66
  Bottom 0.813: 90.93,167.89 90.93,164.21 90.36,163.64 v89.73,163.64
VUSB8  (via drill 0.38)
  Top 0.254: 162.56,160.66 BYP8.1 162.43,160.68
  Top 0.305: C111.1 157.73,156.84 157.73,157.46 F9.1
  Top 0.635: J36.VBUS2 161.2,164.17 v161.73,163.64 | J36.VBUS1 161.63,169.07
  Top 0.762: 161.63,169.07 v161.67,169.04
  Top 0.813: F9.1 158.01,159.41 158.4,159.8 160.4,159.8 161.26,160.66 162.56,160.66 | v161.73,163.64 162.43,162.94 162.43,160.68
  Bottom 0.762: JP149.VBUS 157.35,169.29 157.99,168.66 161.67,168.66 | 162.94,167.89 162.18,168.66 161.67,168.66 | v161.67,169.04 161.67,168.66
  Bottom 0.813: 162.94,167.89 162.94,164.21 162.37,163.64 v161.73,163.64

## Text on the board
Bottom: x04 | x04 | x04 | x04 | x04 | x04 | x04 | x04 | x04
Dimension: Route Out | Route Out | Route Out | Route Out | Route Out | Route Out | Route Out | Route Out | Route Out | Route Out | Route Out | Route Out
Milling: v-score | v-score | v-score | v-score